# Allegro board nu_2000_main_210405_gerber_el.brd (continued)
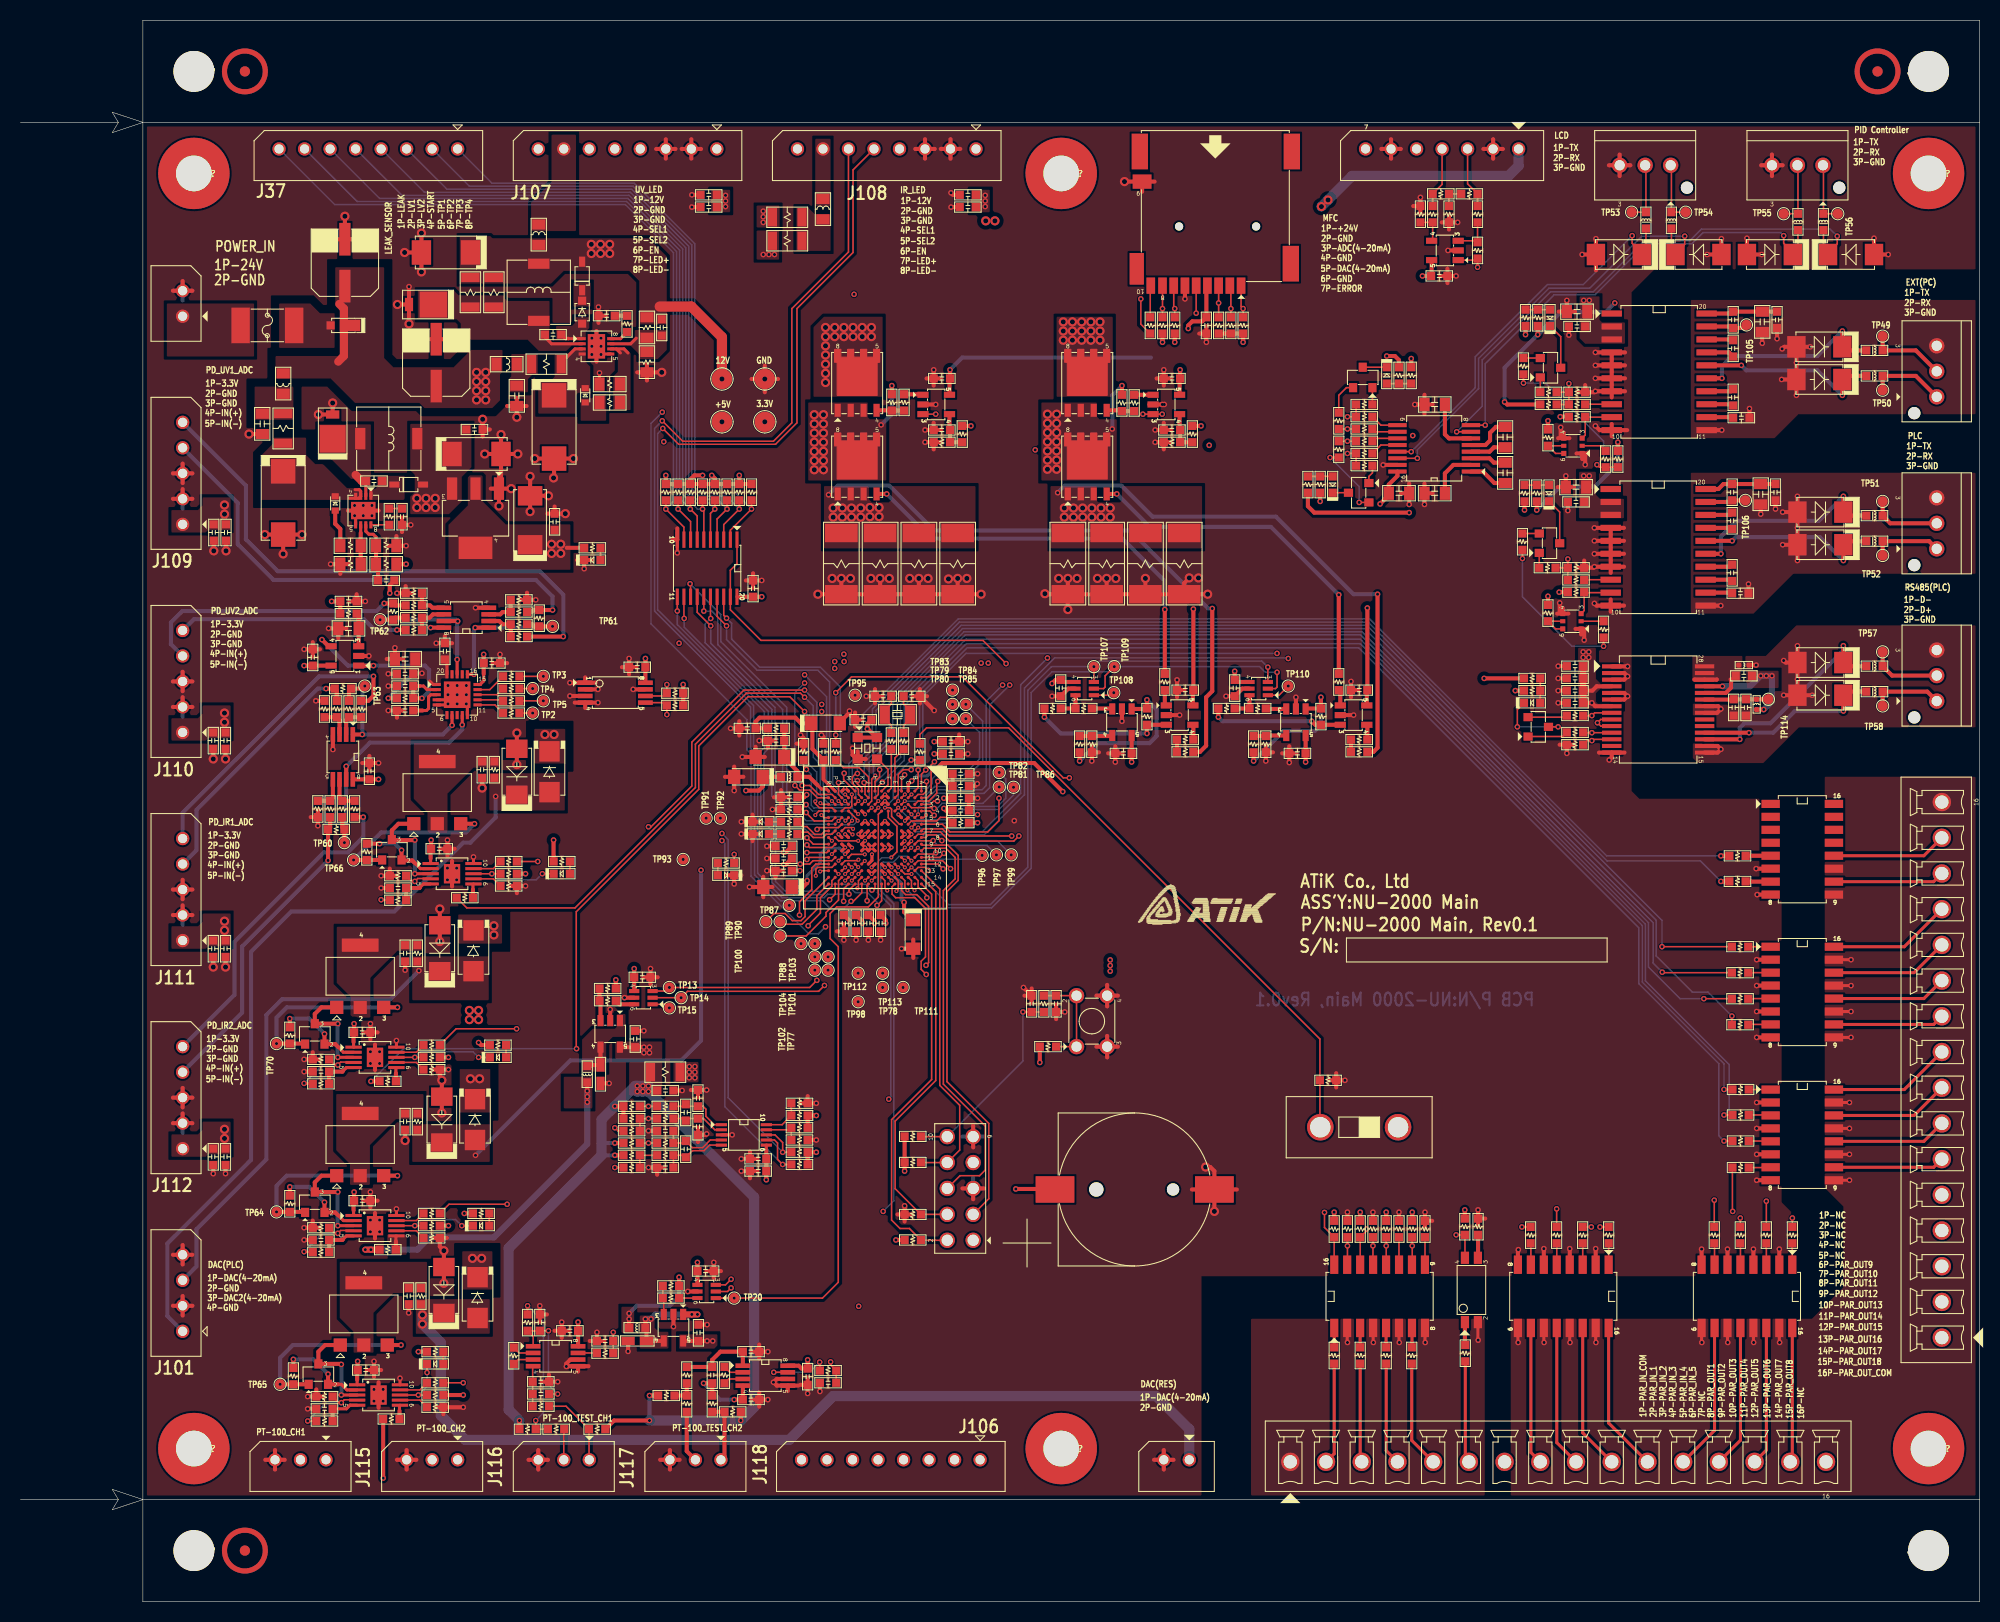
[diagram p0: board, top side]
## Placement (name value [footprint] x y rotation side) (continued)
U62  TLV3701IDBVT  [SOT23_5P_H]  112.3 117.35 270 top
U63  LM7301IM5/NOPB  [SOT23_5P_H]  125 86.2 180 top
U64  LM7301IM5/NOPB  [SOT23_5P_H]  130.65 86.9 270 top
U66  INA827  [VSSOP_8P_A]  52.45 24.05 270 top
U67  INA827  [VSSOP_8P_A]  73 22.15 270 top
U68  KDS181  [SOT23_3P_P]  131.15 108.7 90 top
U69  KDS181  [SOT23_3P_P]  131.55 120 0 top
U70  KDS181  [SOT23_3P_P]  149.95 120.95 270 top
U71  KDS181  [SOT23_3P_P]  149.85 103.75 270 top
U72  KDS181  [SOT23_3P_P]  148.75 85.75 270 top
U73  TLP293  [PHOTO_TLP293_4P]  142.2 30.55 90 top
U74  ADM3251E  [SOIC_20P]  160.6 120.55 270 top
U75  ADM3251E  [SOIC_20P]  160.5 103.35 270 top
U76  LTC2630  [SC70_6P_B]  104.3 89.5 270 top
U77  LTC2630  [SC70_6P_B]  121.35 89.5 270 top
U78  LM7301IM5/NOPB  [SOT23_5P_H]  139.6 132.45 90 top
U79  2N7002PS  [TSOP_6P_C]  152.15 113.3 90 top
U80  2N7002PS  [TSOP_6P_C]  152.05 96.1 90 top
U81  ADM2561E  [SOIC_28P_A]  160.5 87.45 270 top
UNK?  ?  [unnamed#4]  102 15 0 top
UNK?#2  ?  [unnamed#4]  17 140 0 top
UNK?#3  ?  [unnamed#4]  102 140 0 top
UNK?#4  ?  [unnamed#4]  187 15 0 top
UNK?#5  ?  [unnamed#4]  187 140 0 top
UNK?#6  -  [unnamed#3]  17 5 0 top
UNK?#7  -  [unnamed#3]  187 5 180 top
UNK?#8  ?  [unnamed#4]  17 15 0 top
UNK?#9  -  [unnamed#3]  17 150 0 top
UNK?#10  -  [unnamed#3]  187 150 180 top
Y1  NX3215SA-32.768K  [XTAL_NX3215SA_2P]  85.95 86.95 180 top
Y2  ASEM1-25  [OSC_ASEMB_3225_4P]  83 83.65 270 top

## Library data of the parts
BT1 = BATTERY
C1-C4 C7-C10 C12-C24 C26-C28 C32 C33 C36-C38 C40 C43-C48 C62-C71 C102 C103 C117 C119-C122 C124 C126 C128 C131-C133 C135-C140 C142-C191 = C
C5 C6 C11 C25 C39 C41 C42 C127 C130 = CAP POL
C31 C75-C78 C97-C101 C104 C105 C108-C110 C113 C115 C116 C118 = C_0
D27 D28 D60-D65 D70-D74 = LED_0
D29 D31 D66 = DIODE_0
D32 D33 D67 D68 D75-D78 D91 = DIODE ZENER_0
D34 D36 = DIODE BI-DIR TRIG
D79-D90 D92 D93 = DIODE BI-DIR TRIG_0
F1 = FUSE
J33 = CON10
J34 = CON10AP_0
J36 J120 = 2pin
J37 J106-J108 = 3pin_0
J44-J48 = 3pin
J52 J53 = CON16
J101 = 3pin_2
J109-J112 = 3pin_5
J115-J118 = 3pin_6
J119 = 3pin_7
L1-L3 L5 L6 L8-L23 = INDUCTOR
LS1 LS2 = LT48_3
Q1 Q5 Q7 Q9 = PNP BCE_1
Q15-Q18 = BSS83P_L1_5
Q19-Q22 = BSS83P_L1_6
R1-R11 R13-R17 R19-R25 R27-R40 R156-R158 R160 R162-R165 R232 R233 R246 R247 R255 R256 R267 R268 R273-R298 R300 R301 R334-R342 R344-R353 R355-R357 R359-R361 R363-R365 R367-R369 R371 R372 R374 R375 R398-R401 R404 R405 = r_0
R12 = R
R18 R58 R81-R92 R141-R153 R171 R175-R178 R180 R188 R189 R191 R193 R198-R201 R206-R209 R214-R223 R225-R231 R257-R266 R302-R305 R309 R310 R313-R324 R326-R329 R332 R333 R354 R358 R362 R366 R370 R373 R376-R381 R383-R393 R395 R397 R402 R403 = r_1
R45-R48 R59 R269-R272 R394 R396 = R_1
SW1 = SW TACT-SPST-2
SW2 = SW DPDT/SM_3
TP2-TP5 TP13-TP15 TP20 TP49-TP58 TP77-TP93 TP95-TP118 = TP
TP60-TP66 TP70 = TEST POINT
U1 = stm32f4xxh1_0
U3 = 24AA01P_4
U4 U43 U50 U53 = XTR111_1
U6 = LDO_1
U7 = HCTS540MS_3
U9 U12 U76 U77 = LTC2630
U11 U13 U58 U59 U61-U64 U78 = OPA686/SO_1
U19 = SP3232E
U22 U55 = OPA2333AIDGK
U26 = AD8605_1
U28 = AD7682LFCSP_1
U42 U45-U49 = TLP293_4
U44 = MCP3427-E/UN_0
U66 U67 = INA827_0
U68-U72 = KDS181_0
U73 = TLP293_0
U74 U75 = ADM3251E
U79 U80 = 2N7002PS
U81 = ADM2561E
Y1 = CRYSTAL
Y2 = OSC-25MHz

## Footprints (pads in the part's own frame, mm; a bottom-side part is the same pattern mirrored in y, then rotated)
B1608
  rect 0.8x0.8 smd: 1(-0.8,0) 2(0.8,0)
BGA_10X10_201P
  round 0.3 smd: A1(-4.55,4.55) A2(-3.9,4.55) A3(-3.25,4.55) A4(-2.6,4.55) A5(-1.95,4.55) A6(-1.3,4.55) A7(-0.65,4.55) A8(0,4.55) A9(0.65,4.55) A10(1.3,4.55) A11(1.95,4.55) A12(2.6,4.55) A13(3.25,4.55) A14(3.9,4.55) A15(4.55,4.55) B1(-4.55,3.9) B2(-3.9,3.9) B3(-3.25,3.9) B4(-2.6,3.9) B5(-1.95,3.9) B6(-1.3,3.9) B7(-0.65,3.9) B8(0,3.9) B9(0.65,3.9) B10(1.3,3.9) B11(1.95,3.9) B12(2.6,3.9) B13(3.25,3.9) B14(3.9,3.9) B15(4.55,3.9) C1(-4.55,3.25) C2(-3.9,3.25) C3(-3.25,3.25) C4(-2.6,3.25) C5(-1.95,3.25) C6(-1.3,3.25) C7(-0.65,3.25) C8(0,3.25) C9(0.65,3.25) C10(1.3,3.25) C11(1.95,3.25) C12(2.6,3.25) C13(3.25,3.25) C14(3.9,3.25) C15(4.55,3.25) D1(-4.55,2.6) D2(-3.9,2.6) D3(-3.25,2.6) D4(-2.6,2.6) D5(-1.95,2.6) D6(-1.3,2.6) D7(-0.65,2.6) D8(0,2.6) D9(0.65,2.6) D10(1.3,2.6) D11(1.95,2.6) D12(2.6,2.6) D13(3.25,2.6) D14(3.9,2.6) D15(4.55,2.6) E1(-4.55,1.95) E2(-3.9,1.95) E3(-3.25,1.95) E4(-2.6,1.95) E12(2.6,1.95) E13(3.25,1.95) E14(3.9,1.95) E15(4.55,1.95) F1(-4.55,1.3) F2(-3.9,1.3) F3(-3.25,1.3) F4(-2.6,1.3) F6(-1.3,1.3) F7(-0.65,1.3) F8(0,1.3) F9(0.65,1.3) F10(1.3,1.3) F12(2.6,1.3) F13(3.25,1.3) F14(3.9,1.3) F15(4.55,1.3) G1(-4.55,0.65) G2(-3.9,0.65) G3(-3.25,0.65) G4(-2.6,0.65) G6(-1.3,0.65) G7(-0.65,0.65) G8(0,0.65) G9(0.65,0.65) G10(1.3,0.65) G12(2.6,0.65) G13(3.25,0.65) G14(3.9,0.65) G15(4.55,0.65) H1(-4.55,0) H2(-3.9,0) H3(-3.25,0) H4(-2.6,0) H6(-1.3,0) H7(-0.65,0) H8(0,0) H9(0.65,0) H10(1.3,0) H12(2.6,0) H13(3.25,0) H14(3.9,0) H15(4.55,0) J1(-4.55,-0.65) J2(-3.9,-0.65) J3(-3.25,-0.65) J4(-2.6,-0.65) J6(-1.3,-0.65) J7(-0.65,-0.65) J8(0,-0.65) J9(0.65,-0.65) J10(1.3,-0.65) J12(2.6,-0.65) J13(3.25,-0.65) J14(3.9,-0.65) J15(4.55,-0.65) K1(-4.55,-1.3) K2(-3.9,-1.3) K3(-3.25,-1.3) K4(-2.6,-1.3) K6(-1.3,-1.3) K7(-0.65,-1.3) K8(0,-1.3) K9(0.65,-1.3) K10(1.3,-1.3) K12(2.6,-1.3) K13(3.25,-1.3) K14(3.9,-1.3) K15(4.55,-1.3) L1(-4.55,-1.95) L2(-3.9,-1.95) L3(-3.25,-1.95) L4(-2.6,-1.95) L12(2.6,-1.95) L13(3.25,-1.95) L14(3.9,-1.95) L15(4.55,-1.95) M1(-4.55,-2.6) M2(-3.9,-2.6) M3(-3.25,-2.6) M4(-2.6,-2.6) M5(-1.95,-2.6) M6(-1.3,-2.6) M7(-0.65,-2.6) M8(0,-2.6) M9(0.65,-2.6) M10(1.3,-2.6) M11(1.95,-2.6) M12(2.6,-2.6) M13(3.25,-2.6) M14(3.9,-2.6) M15(4.55,-2.6) N1(-4.55,-3.25) N2(-3.9,-3.25) N3(-3.25,-3.25) N4(-2.6,-3.25) N5(-1.95,-3.25) N6(-1.3,-3.25) N7(-0.65,-3.25) N8(0,-3.25) N9(0.65,-3.25) N10(1.3,-3.25) N11(1.95,-3.25) N12(2.6,-3.25) N13(3.25,-3.25) N14(3.9,-3.25) N15(4.55,-3.25) P1(-4.55,-3.9) P2(-3.9,-3.9) P3(-3.25,-3.9) P4(-2.6,-3.9) P5(-1.95,-3.9) P6(-1.3,-3.9) P7(-0.65,-3.9) P8(0,-3.9) P9(0.65,-3.9) P10(1.3,-3.9) P11(1.95,-3.9) P12(2.6,-3.9) P13(3.25,-3.9) P14(3.9,-3.9) P15(4.55,-3.9) R1(-4.55,-4.55) R2(-3.9,-4.55) R3(-3.25,-4.55) R4(-2.6,-4.55) R5(-1.95,-4.55) R6(-1.3,-4.55) R7(-0.65,-4.55) R8(0,-4.55) R9(0.65,-4.55) R10(1.3,-4.55) R11(1.95,-4.55) R12(2.6,-4.55) R13(3.25,-4.55) R14(3.9,-4.55) R15(4.55,-4.55)
BT_BC501SM_2P
  round 1.2 hole 1.2 unplated: (0,3.76)
  round 1.41 hole 1.4 unplated: (0,-3.76)
  rect 2.6x3.8 smd: 1(0,-7.81) 2(0,7.81)
C1608
  rect 0.8x0.8 smd: 1(-0.8,0) 2(0.8,0)
C2012
  rect 1x1.3 smd: 1(-1,0) 2(1,0)
CONN_0309501_1016_16P
  round 1.8 hole 1.3: 1(-26.25,0) 2(-22.75,0) 3(-19.25,0) 4(-15.75,0) 5(-12.25,0) 6(-8.75,0) 7(-5.25,0) 8(-1.75,0) 9(1.75,0) 10(5.25,0) 11(8.75,0) 12(12.25,0) 13(15.75,0) 14(19.25,0) 15(22.75,0) 16(26.25,0)
CONN_533750310_3P
  round 1.2 hole 1.2 unplated: (4.1,-2.2)
  round 1.5 hole 1: 1(2.5,0) 2(0,0) 3(-2.5,0)
CONN_PH2_10_UA_10P_A
  round 1.5 hole 1.1: 1(-5.08,-1.27) 2(-5.08,1.27) 3(-2.54,-1.27) 4(-2.54,1.27) 5(0,-1.27) 6(0,1.27) 7(2.54,-1.27) 8(2.54,1.27) 9(5.08,-1.27) 10(5.08,1.27)
CONN_PJS008_9P
  rect 1.6x3.5 smd: (-7.5,0) (-7.4,11) (7.4,0)
  round 0.8 hole 0.8 unplated: (-4,7.35) (3.55,7.35)
  rect 1.4x3.1 smd: (7.7,11.5)
  rect 0.85x1.6 smd: 1(-2.525,13.15) 2(-1.425,13.15) 3(-0.325,13.15) 4(0.775,13.15) 5(1.875,13.15) 6(2.975,13.15) 7(4.075,13.15) 8(5.175,13.15) 10(6.325,13.15)
  rect 1.85x1.4 smd: 9(7.175,2.95)
CONN_ST_5267_2P
  round 1.3 hole 0.9: 1(1.25,0) 2(-1.25,0)
CONN_ST_5267_3P
  round 1.3 hole 0.9: 1(2.5,0) 2(0,0) 3(-2.5,0)
CONN_ST_5267_4P
  round 1.3 hole 0.9: 1(3.75,0) 2(1.25,0) 3(-1.25,0) 4(-3.75,0)
CONN_ST_5267_5P
  round 1.3 hole 0.9: 1(5,0) 2(2.5,0) 3(0,0) 4(-2.5,0) 5(-5,0)
CONN_ST_5267_7P
  round 1.3 hole 0.9: 1(7.5,0) 2(5,0) 3(2.5,0) 4(0,0) 5(-2.5,0) 6(-5,0) 7(-7.5,0)
CONN_ST_5267_8P
  round 1.3 hole 0.9: 1(8.75,0) 2(6.25,0) 3(3.75,0) 4(1.25,0) 5(-1.25,0) 6(-3.75,0) 7(-6.25,0) 8(-8.75,0)
D240_SMA_2P_A
  rect 2x2 smd: 1(-2,0) 2(2,0)
D_457_04_2P
  rect 0.8x1.3 smd: 1(1.768,0)
  rect 2.7x2.55 smd: 2(-0.618,0)
D_DO_214AC_2P_E
  rect 1.8x2.1 smd: 1(-2.25,0) 2(2.25,0)
DFN_3X3_8P_TAB_B
  rect 0.3x0.7 smd: 1(-0.75,-1.4) 2(-0.25,-1.4) 3(0.25,-1.4) 4(0.75,-1.4) 5(0.75,1.4) 6(0.25,1.4) 7(-0.25,1.4) 8(-0.75,1.4)
  rect 2.4x1.7 smd: 9(0,0)
DO_219AD_2P
  rect 0.8x0.8 smd: 1(1.25,0)
  rect 2x1.1 smd: 2(-0.65,0)
DUMMY_SW_2P
  round 2.6 hole 2: 1(-3.81,0) 2(3.81,0)
ECAP_630_D
  rect 1.1x3.2 smd: 1(0,2.3) 2(0,-2.3)
ESD_PGB101_2P
  rect 1.3x0.8 smd: 1(-0.9,0) 2(0.9,0)
FUSE_0ZCG_2P
  rect 1.8x3.5 smd: 1(-2.625,0) 2(2.625,0)
L1005
  custom 0.5x0.5 smd: 1(-0.5,0) 2(0.5,0)
L2012
  rect 1x1.3 smd: 1(-1,0) 2(1,0)
L_CDRH5D_2P
  rect 1x2.1 smd: 1(-2.8,0) 2(2.8,0)
LED1608
  rect 0.8x0.8 smd: 1(0.8,0) 2(-0.8,0)
LFCSP_20P_TAB
  rect 0.8x0.3 smd: 1(-2,1) 2(-2,0.5) 3(-2,0) 4(-2,-0.5) 5(-2,-1) 11(2,-1) 12(2,-0.5) 13(2,0) 14(2,0.5) 15(2,1)
  rect 0.3x0.8 smd: 6(-1,-2) 7(-0.5,-2) 8(0,-2) 9(0.5,-2) 10(1,-2) 16(1,2) 17(0.5,2) 18(0,2) 19(-0.5,2) 20(-1,2)
  rect 2.6x2.6 smd: 21(0,0)
MSOP_10P
  rect 0.3x1.1 smd: 1(-1,-2.2) 2(-0.5,-2.2) 3(0,-2.2) 4(0.5,-2.2) 5(1,-2.2) 6(1,2.2) 7(0.5,2.2) 8(0,2.2) 9(-0.5,2.2) 10(-1,2.2)
MSOP_10P_TAB_B
  rect 0.3x1.6 smd: 1(-1,-2.1) 2(-0.5,-2.1) 3(0,-2.1) 4(0.5,-2.1) 5(1,-2.1) 6(1,2.1) 7(0.5,2.1) 8(0,2.1) 9(-0.5,2.1) 10(-1,2.1)
  rect 1.9x1.6 smd: 11(0,0)
OSC_ASEMB_3225_4P
  rect 0.9x1 smd: 1(-1.05,-0.95) 2(1.05,-0.95) 3(1.05,0.95) 4(-1.05,0.95)
PHOTO_TLP293_4P
  rect 1.2x0.8 smd: 1(-3.15,0.635) 2(-3.15,-0.635) 3(3.15,-0.635) 4(3.15,0.635)
PPAK_SO8_8P_A
  rect 0.61x1.27 smd: 1(-1.905,-2.67) 2(-0.635,-2.67) 3(0.635,-2.67) 4(1.905,-2.67) 5(1.905,2.67) 6(0.635,2.67) 7(-0.635,2.67)
  custom 4.42x4.52 smd: 8(0,1.045)
R1608
  rect 0.8x0.8 smd: 1(-0.8,0) 2(0.8,0)
R2012
  rect 1x1.3 smd: 1(-1,0) 2(1,0)
R3216
  rect 0.9x1.8 smd: 1(-1.45,0) 2(1.45,0)
R6432
  rect 1.8x3.2 smd: 1(-3,0) 2(3,0)
SC70_6P_B
  rect 0.4x1 smd: 1(0.65,0.9) 2(0,0.9) 3(-0.65,0.9) 4(-0.65,-0.9) 5(0,-0.9) 6(0.65,-0.9)
SOD323_2P
  rect 0.8x0.8 smd: 1(1.125,0) 2(-1.125,0)
SOD323_2P_L
  rect 1x0.6 smd: 1(1.4,0) 2(-1.4,0)
SOD523_2P_F
  rect 0.6x0.7 smd: 1(0.7,0) 2(-0.7,0)
SOIC_16P_K
  rect 0.8x1.8 smd: 1(-4.445,-3.1) 2(-3.175,-3.1) 3(-1.905,-3.1) 4(-0.635,-3.1) 5(0.635,-3.1) 6(1.905,-3.1) 7(3.175,-3.1) 8(4.445,-3.1) 9(4.445,3.1) 10(3.175,3.1) 11(1.905,3.1) 12(0.635,3.1) 13(-0.635,3.1) 14(-1.905,3.1) 15(-3.175,3.1) 16(-4.445,3.1)
SOIC_20P
  rect 0.6x2 smd: 1(-5.715,-4.65) 2(-4.445,-4.65) 3(-3.175,-4.65) 4(-1.905,-4.65) 5(-0.635,-4.65) 6(0.635,-4.65) 7(1.905,-4.65) 8(3.175,-4.65) 9(4.445,-4.65) 10(5.715,-4.65) 11(5.715,4.65) 12(4.445,4.65) 13(3.175,4.65) 14(1.905,4.65) 15(0.635,4.65) 16(-0.635,4.65) 17(-1.905,4.65) 18(-3.175,4.65) 19(-4.445,4.65) 20(-5.715,4.65)
SOIC_28P_A
  rect 0.4x1.9 smd: 1(-4.225,-4.55) 2(-3.575,-4.55) 3(-2.925,-4.55) 4(-2.275,-4.55) 5(-1.625,-4.55) 6(-0.975,-4.55) 7(-0.325,-4.55) 8(0.325,-4.55) 9(0.975,-4.55) 10(1.625,-4.55) 11(2.275,-4.55) 12(2.925,-4.55) 13(3.575,-4.55) 14(4.225,-4.55) 15(4.225,4.55) 16(3.575,4.55) 17(2.925,4.55) 18(2.275,4.55) 19(1.625,4.55) 20(0.975,4.55) 21(0.325,4.55) 22(-0.325,4.55) 23(-0.975,4.55) 24(-1.625,4.55) 25(-2.275,4.55) 26(-2.925,4.55) 27(-3.575,4.55) 28(-4.225,4.55)
SOT23_3P_I
  rect 0.8x0.9 smd: 1(-0.95,-1) 2(0.95,-1) 3(0,1)
SOT23_3P_P
  rect 0.8x0.9 smd: 1(0.95,-1) 2(-0.95,-1) 3(0,1)
SOT23_5P
  rect 0.6x1.1 smd: 1(-0.95,-1.35) 2(0,-1.35) 3(0.95,-1.35) 4(0.95,1.35) 5(-0.95,1.35)
SOT23_5P_H
  rect 0.6x1.1 smd: 1(-0.95,-1.3) 2(0,-1.3) 3(0.95,-1.3) 4(0.95,1.3) 5(-0.95,1.3)
SOT223_4P
  rect 1.3x1.3 smd: 1(-2.3,-3.05) 2(0,-3.05) 3(2.3,-3.05)
  rect 3.6x1.3 smd: 4(0,3.05)
SOT_223_4P_C
  rect 1x2.2 smd: 1(-2.3,-2.9) 2(0,-2.9) 3(2.3,-2.9)
  rect 3.3x2.2 smd: 4(0,2.9)
SSOP_16P_A
  rect 0.4x1.8 smd: 1(-2.275,-3.6) 2(-1.625,-3.6) 3(-0.975,-3.6) 4(-0.325,-3.6) 5(0.325,-3.6) 6(0.975,-3.6) 7(1.625,-3.6) 8(2.275,-3.6) 9(2.275,3.6) 10(1.625,3.6) 11(0.975,3.6) 12(0.325,3.6) 13(-0.325,3.6) 14(-0.975,3.6) 15(-1.625,3.6) 16(-2.275,3.6)
SW_TS_1109_4P
  round 1.5 hole 1: 1(-2.5,1.5) 2(2.5,1.5) 3(-2.5,-1.5) 4(2.5,-1.5)
TAN_3216A_C
  rect 1.2x1.4 smd: 1(-1.4,0) 2(1.4,0)
TAN_6032C_C
  rect 1.9x2.4 smd: 1(-2.4,0) 2(2.4,0)
TAN_7343D_C
  rect 2.4x2.4 smd: 1(-3.1,0) 2(3.1,0)
TP_100
  round 1 smd: 1(0,0)
TP_200
  round 2 smd: 1(0,0)
TSOP_6P_C
  rect 0.5x0.5 smd: 1(-0.75,-0.9) 3(0.75,-0.9) 4(0.75,0.9) 6(-0.75,0.9)
  rect 0.4x0.5 smd: 2(0,-0.9) 5(0,0.9)
TSSOP_8P_B
  rect 0.45x1.45 smd: 1(-0.975,-2.95) 2(-0.325,-2.95) 3(0.325,-2.95) 4(0.975,-2.95) 5(0.975,2.95) 6(0.325,2.95) 7(-0.325,2.95) 8(-0.975,2.95)
TSSOP_20P_C
  rect 0.3x1.6 smd: 1(-2.925,-2.8) 2(-2.275,-2.8) 3(-1.625,-2.8) 4(-0.975,-2.8) 5(-0.325,-2.8) 6(0.325,-2.8) 7(0.975,-2.8) 8(1.625,-2.8) 9(2.275,-2.8) 10(2.925,-2.8) 11(2.925,2.8) 12(2.275,2.8) 13(1.625,2.8) 14(0.975,2.8) 15(0.325,2.8) 16(-0.325,2.8) 17(-0.975,2.8) 18(-1.625,2.8) 19(-2.275,2.8) 20(-2.925,2.8)
unnamed#2
  round 1 smd: 1(0,0)
unnamed#4
  round 7 hole 3.5: 1(0,0)
unnamed#3
  round 4.01 hole 4 unplated: (0,0)
VSSOP_8P_A
  rect 0.45x1.45 smd: 1(-0.975,-2.2) 2(-0.325,-2.2) 3(0.325,-2.2) 4(0.975,-2.2) 5(0.975,2.2) 6(0.325,2.2) 7(-0.325,2.2) 8(-0.975,2.2)
VSSOP_8P_B
  rect 0.45x1.45 smd: 1(-0.975,-2.2) 2(-0.325,-2.2) 3(0.325,-2.2) 4(0.975,-2.2) 5(0.975,2.2) 6(0.325,2.2) 7(-0.325,2.2) 8(-0.975,2.2)
XTAL_NX3215SA_2P
  rect 1x1.8 smd: 1(-1.25,0) 2(1.25,0)

## Nets
3.3V: C8.1 C9.2 C10.2 C12.2 C13.2 C14.2 C15.2 C16.2 C17.2 C18.2 C19.2 C20.2 C21.2 C22.2 C23.2 C27.2 C28.2 C37.2 C41.1 C44.2 C63.1 C102.2 C103.2 C117.2 C119.2 C142.2 C144.2 C146.2 C147.2 C148.2 C149.2 C150.2 C151.2 C152.2 C153.2 C185.2 C186.2 C187.2 C188.2 J33.4 J34.1 J109.1 J110.1 J111.1 J112.1 L1.1 R1.2 R5.1 R13.2 R14.2 R15.2 R16.2 R17.2 R19.2 R20.2 R21.2 R22.2 R23.2 R33.2 R34.2 R35.2 R36.2 R37.2 R38.2 R39.2 R40.2 R85.2 R86.2 R87.2 R88.2 R156.2 R157.2 R162.2 R163.2 R171.2 R256.1 R314.2 R317.2 R353.1 R357.1 R361.1 R365.1 R369.1 R375.2 R404.1 R405.1 SW2.1(NC1) TP118.1 U1.C5(VDD) U1.C7(VDD_1) U1.C8(VDD_2) U1.C9(VDD_3) U1.F3(VDD_4) U1.G3(VDD_5) U1.G13(VDD_9) U1.H13(VDD_10) U1.J12(VDD_11) U1.J13(VDD_12) U1.K4(VDD_6) U1.N8(VDD_7) U1.N9(VDD_8) U1.N10(VDD_13) U3.8(VCC) U6.2(OUT1) U6.4(OUT2) U7.20(VCC) U19.16(VCC) U28.15(VIO) U44.6(VDD) U66.8(+VS) U67.8(+VS) U81.4(VCC) U81.7(VIO) Y2.1(EN) Y2.4(VCC)
12V: C124.2 C130.1 C133.2 C136.2 C137.2 C140.2 C172.2 C173.2 C174.2 C175.2 D66.1(A) J107.1 J108.1 L18.2 L20.1 R294.1 R300.2 R301.2 R380.2 TP116.1 U59.5(+VCC) U61.5(+VCC) U62.5(+VCC) U64.5(+VCC)
24V: C39.1 C97.2 C100.2 C104.2 C109.2 C127.1 D31.2(K) D75.2(CATHODE) D76.2(CATHODE) D77.2(CATHODE) D78.2(CATHODE) J119.1 L3.1 L19.1 U4.1(VSP) U43.1(VSP) U50.1(VSP) U53.1(VSP)
+5V: C33.2 C36.2 C42.1 C45.2 C46.2 C47.2 C48.2 C68.1 C75.1 C115.1 C116.1 C132.2 C139.2 C161.1 C167.1 C168.1 C176.2 C177.2 C178.2 D29.1(A) L2.2 R28.1 R58.1 R257.2 R258.2 R259.2 R260.2 R261.2 R262.2 R263.2 R264.2 R354.2 R358.2 R362.2 R366.2 R370.2 R379.1 R398.1 R399.1 R400.1 R401.1 TP117.1 U6.3(IN) U9.4(VCC) U11.5(+VCC) U12.4(VCC) U13.5(+VCC) U22.8 U26.5(V+) U55.8 U58.5(+VCC) U63.5(+VCC) U74.2(VCC1) U74.3(VCC2) U75.2(VCC1) U75.3(VCC2) U76.4(VCC) U77.4(VCC) U78.5(+VCC)
GND: BT1.2(-) C1.2 C2.1 C3.1 C4.2 C5.2 C6.2 C7.1 C8.2 C9.1 C10.1 C11.2 C12.1 C13.1 C14.1 C15.1 C16.1 C17.1 C18.1 C19.1 C20.1 C21.1 C22.1 C23.1 C24.1 C25.2 C26.1 C27.1 C28.1 C31.1 C33.1 C37.1 C38.2 C39.2 C40.1 C41.2 C42.2 C43.1 C44.1 C45.1 C46.1 C47.1 C48.1 C63.2 C65.1 C66.1 C68.2 C75.2 C76.2 C77.2 C78.2 C97.1 C98.1 C99.1 C100.1 C101.1 C102.1 C103.1 C104.1 C105.1 C108.1 C109.1 C110.1 C113.1 C115.2 C116.2 C117.1 C118.2 C119.1 C120.1 C121.2 C126.2 C127.2 C128.1 C130.2 C131.1 C132.1 C133.1 C135.2 C136.1 C137.1 C138.2 C139.1 C140.1 C142.1 C143.1 C144.1 C145.1 C146.1 C147.1 C148.1 C149.1 C150.1 C151.1 C152.1 C153.1 C154.2 C156.1 C157.1 C159.1 C160.1 C161.2 C167.2 C168.2 C172.1 C173.1 C174.1 C175.1 C176.1 C177.1 C178.1 C179.1 C181.1 C182.1 C183.1 C185.1 C186.1 C187.1 C188.1 D27.2(CATHODE) D28.2(CATHODE) D33.1(ANODE) D34.1 D36.1 D60.2(CATHODE) D61.2(CATHODE) D68.1(ANODE) D79.1 D80.1 D81.1 D82.1 D87.1 D88.1 D89.1 D90.1 J33.6 J33.9 J34.5 J34.9 J36.2 J46.3 J47.3 J101.2 J101.4 J107.2 J107.3 J108.2 J108.3 J109.2 J109.3 J110.2 J110.3 J111.2 J111.3 J112.2 J112.3 J115.3 J116.3 J117.3 J118.3 J119.2 J119.6 J120.2 LS1.5(GND1) LS1.9(GND2) LS2.5(GND1) LS2.9(GND2) R7.2 R9.1 R25.1 R30.2 R31.2 R89.2 R90.2 R91.2 R92.2 R143.1 R145.1 R150.1 R152.1 R164.1 R165.1 R177.2 R220.1 R222.1 R228.1 R230.1 R276.2 R280.2 R284.2 R288.2 R296.2 R298.2 R302.1 R309.1 R310.1 R315.1 R319.1 R322.1 R326.1 R327.1 R328.1 R329.1 R374.2 R376.1 R377.1 R383.2 R388.2 R394.1 R396.1 R403.1 SW1.3 SW1.4 TP115.1 U1.D5(VSS) U1.D7(VSS_1) U1.D8(VSS_2) U1.D9(VSS_3) U1.F2(VSS_4) U1.F6(VSS_5) U1.F7(VSS_6) U1.F8(VSS_7) U1.F9(VSS_8) U1.F10(VSS_28) U1.F12(VSS_29) U1.G2(VSS_9) U1.G6(VSS_10) U1.G7(VSS_11) U1.G8(VSS_12) U1.G9(VSS_13) U1.G10(VSS_30) U1.G12(VSS_31) U1.H6(VSS_14) U1.H7(VSS_15) U1.H8(VSS_16) U1.H9(VSS_17) U1.H10(VSS_32) U1.H12(VSS_33) U1.J6(VSS_18) U1.J7(VSS_19) U1.J8(VSS_20) U1.J9(VSS_21) U1.J10(VSS_34) U1.K6(VSS_22) U1.K7(VSS_23) U1.K8(VSS_24) U1.K9(VSS_25) U1.K10(VSS_35) U1.M1(VSSA) U1.M8(VSS_26) U1.M9(VSS_27) U1.N1(VREF-) U3.1(NC) U3.2(A1) U3.3(A2) U3.4(GND) U3.7(WP) U4.10(GND) U4.11(PAD) U6.1(GND) U7.10(GND) U9.5(GND) U11.2(-VCC) U12.5(GND) U13.2(-VCC) U19.15(GND) U22.4(8) U26.2(V-) U28.4(GND-2) U28.5(GND-1) U28.10(COM) U28.21(TAB) U43.10(GND) U43.11(PAD) U44.3(VSS) U45.2 U45.4 U45.6 U45.8 U46.2 U46.4 U46.6 U46.8 U47.2 U47.4 U47.6 U47.8 U48.2 U48.4 U48.6 U48.8 U49.6 U49.8 U50.10(GND) U50.11(PAD) U53.10(GND) U53.11(PAD) U55.4(8) U58.2(-VCC) U59.2(-VCC) U61.2(-VCC) U62.2(-VCC) U63.2(-VCC) U64.2(-VCC) U66.5(-VS) U66.6(REF) U67.5(-VS) U67.6(REF) U74.4(GND1) U74.5(GND2) U74.6(GND3) U74.7(GND4) U74.10(GND5) U75.4(GND1) U75.5(GND2) U75.6(GND3) U75.7(GND4) U75.10(GND5) U76.5(GND) U77.5(GND) U78.2(-VCC) U79.1(S1) U79.4(S2) U80.1(S1) U80.4(S2) U81.1(GND1) U81.2(GND2) U81.3(GND3) U81.5(GND4) U81.6(GND5) U81.14(GND6) Y2.2(GND)
VDDA: C11.1 C24.2 L1.2 R12.1 U1.R1(VDDA)
ADC1(PT100_1): C143.2 R345.1 U1.P3(PA6)
ADC2(PT100_2): C145.2 R351.1 U1.R3(PA7)
ADC3(MFC_IN): R384.2 U1.L1(PF10) U78.1(OUT)
AV_LEAK1_MCU: U1.M2(PC0) U7.18(Y\1\)
AV_LEVEL1_MCU: U1.M3(PC1) U7.17(Y\2\)
AV_LEVEL2_MCU: U1.M4(PC2) U7.16(Y\3\)
AV_PSELECT1: TP15.1 U1.F4(PH2) U9.1(CS)
AV_PSELECT2: TP20.1 U1.G4(PH3) U12.1(CS)
AV_PSELECT3: R272.2 TP2.1 U1.M11(PH6)
AV_PSELECT4: TP108.1 U1.B5(PB7) U76.1(CS)
AV_PSELECT5: TP110.1 U1.A5(PB8) U77.1(CS)
B_PARA_IN_0: J52.2 R81.1
B_PARA_IN_1: J52.3 R82.1
B_PARA_IN_2: J52.4 R83.1
B_PARA_IN_3: J52.5 R84.1
B_PARA_IN_4: J52.6 R175.1
B_PARA_IN_COM: J52.1 U42.2 U42.4 U42.6 U42.8 U73.2
B_PARA_OUT_0: J52.8 U45.10
B_PARA_OUT_1: J52.9 U45.12
B_PARA_OUT_2: J52.10 U45.14
B_PARA_OUT_3: J52.11 U45.16
B_PARA_OUT_4: J52.12 U46.10
B_PARA_OUT_5: J52.13 U46.12
B_PARA_OUT_6: J52.14 U46.14
B_PARA_OUT_7: J52.15 U46.16
B_PARA_OUT_8: J53.6 U47.10
B_PARA_OUT_9: J53.7 U47.12
B_PARA_OUT_10: J53.8 U47.14
B_PARA_OUT_11: J53.9 U47.16
B_PARA_OUT_12: J53.10 U48.10
B_PARA_OUT_13: J53.11 U48.12
B_PARA_OUT_14: J53.12 U48.14
B_PARA_OUT_15: J53.13 U48.16
B_PARA_OUT_16: J53.14 U49.10
B_PARA_OUT_17: J53.15 U49.12
B_PARA_OUT_COM: J53.16 U45.9 U45.11 U45.13 U45.15 U46.9 U46.11 U46.13 U46.15 U47.9 U47.11 U47.13 U47.15 U48.9 U48.11 U48.13 U48.15 U49.9 U49.11
BOOT0: R8.2 U1.D6(BOOT0)
BOOT1: R9.2 U1.M6(PB2/BOOT1)
BYPASS_REG: R7.1 U1.L4(BYPASS_REG)
DAC1: R223.1 U1.N4(PA4)
DAC2: R231.1 U1.P4(PA5)
DAC_OD_1: R218.1 U1.D11(PD3)
DAC_OD_2: R226.1 U1.D10(PD4)
DAC_OD_3: R142.1 U1.C11(PD5)
DAC_OD_4: R148.1 U1.B11(PD6)
EEPROM_SCK: R19.1 U1.N12(PH7) U3.6(SCL)
EEPROM_SDA: R20.1 U1.M12(PH8) U3.5(SDA)
EF_1: D62.2(CATHODE) R258.1 U50.8(EF)
EF_2: D63.2(CATHODE) R260.1 U53.8(EF)
EF_3: D64.2(CATHODE) R262.1 U4.8(EF)
EF_4: D65.2(CATHODE) R264.1 U43.8(EF)
FGND1: C67.2 C69.2 C162.2 D83.1 D84.1 J44.3 U74.11(GISO)
FGND2: C164.2 C165.2 C170.2 D85.1 D86.1 J45.3 U75.11(GISO)
FGND3: C189.2 C191.2 D92.1 D93.1 J48.3 L22.2 U81.15(GND7) U81.16(GND8) U81.21(GND9) U81.22(GND10)
IR1_OUT: J111.4 R283.2 R291.2
IR1_OUT_ADC: R281.1 R291.1 TP63.1 U28.7(IN2) U55.1(7)
IR2_OUT: J112.4 R287.2 R292.2
IR2_OUT_ADC: R285.1 R292.1 TP60.1 U28.9(IN3) U55.7
IR_CUR_ONOFF: U1.B6(PB6) U62.3(+VIN)
IR_LED+: J108.7 L21.2
IR_LED-: J108.8 Q17.5(DRAIN1) Q17.6(DRAIN2) Q17.7(DRAIN3) Q17.8(DRAIN4)
IR_LED_CUR_SEL1: J108.4 U1.M7(PG1)
IR_LED_CUR_SEL2: J108.5 U1.L15(PG2)
IR_LED_EN: J108.6 U1.K15(PG3)